# KiCad board Marble.kicad_pcb (continued)
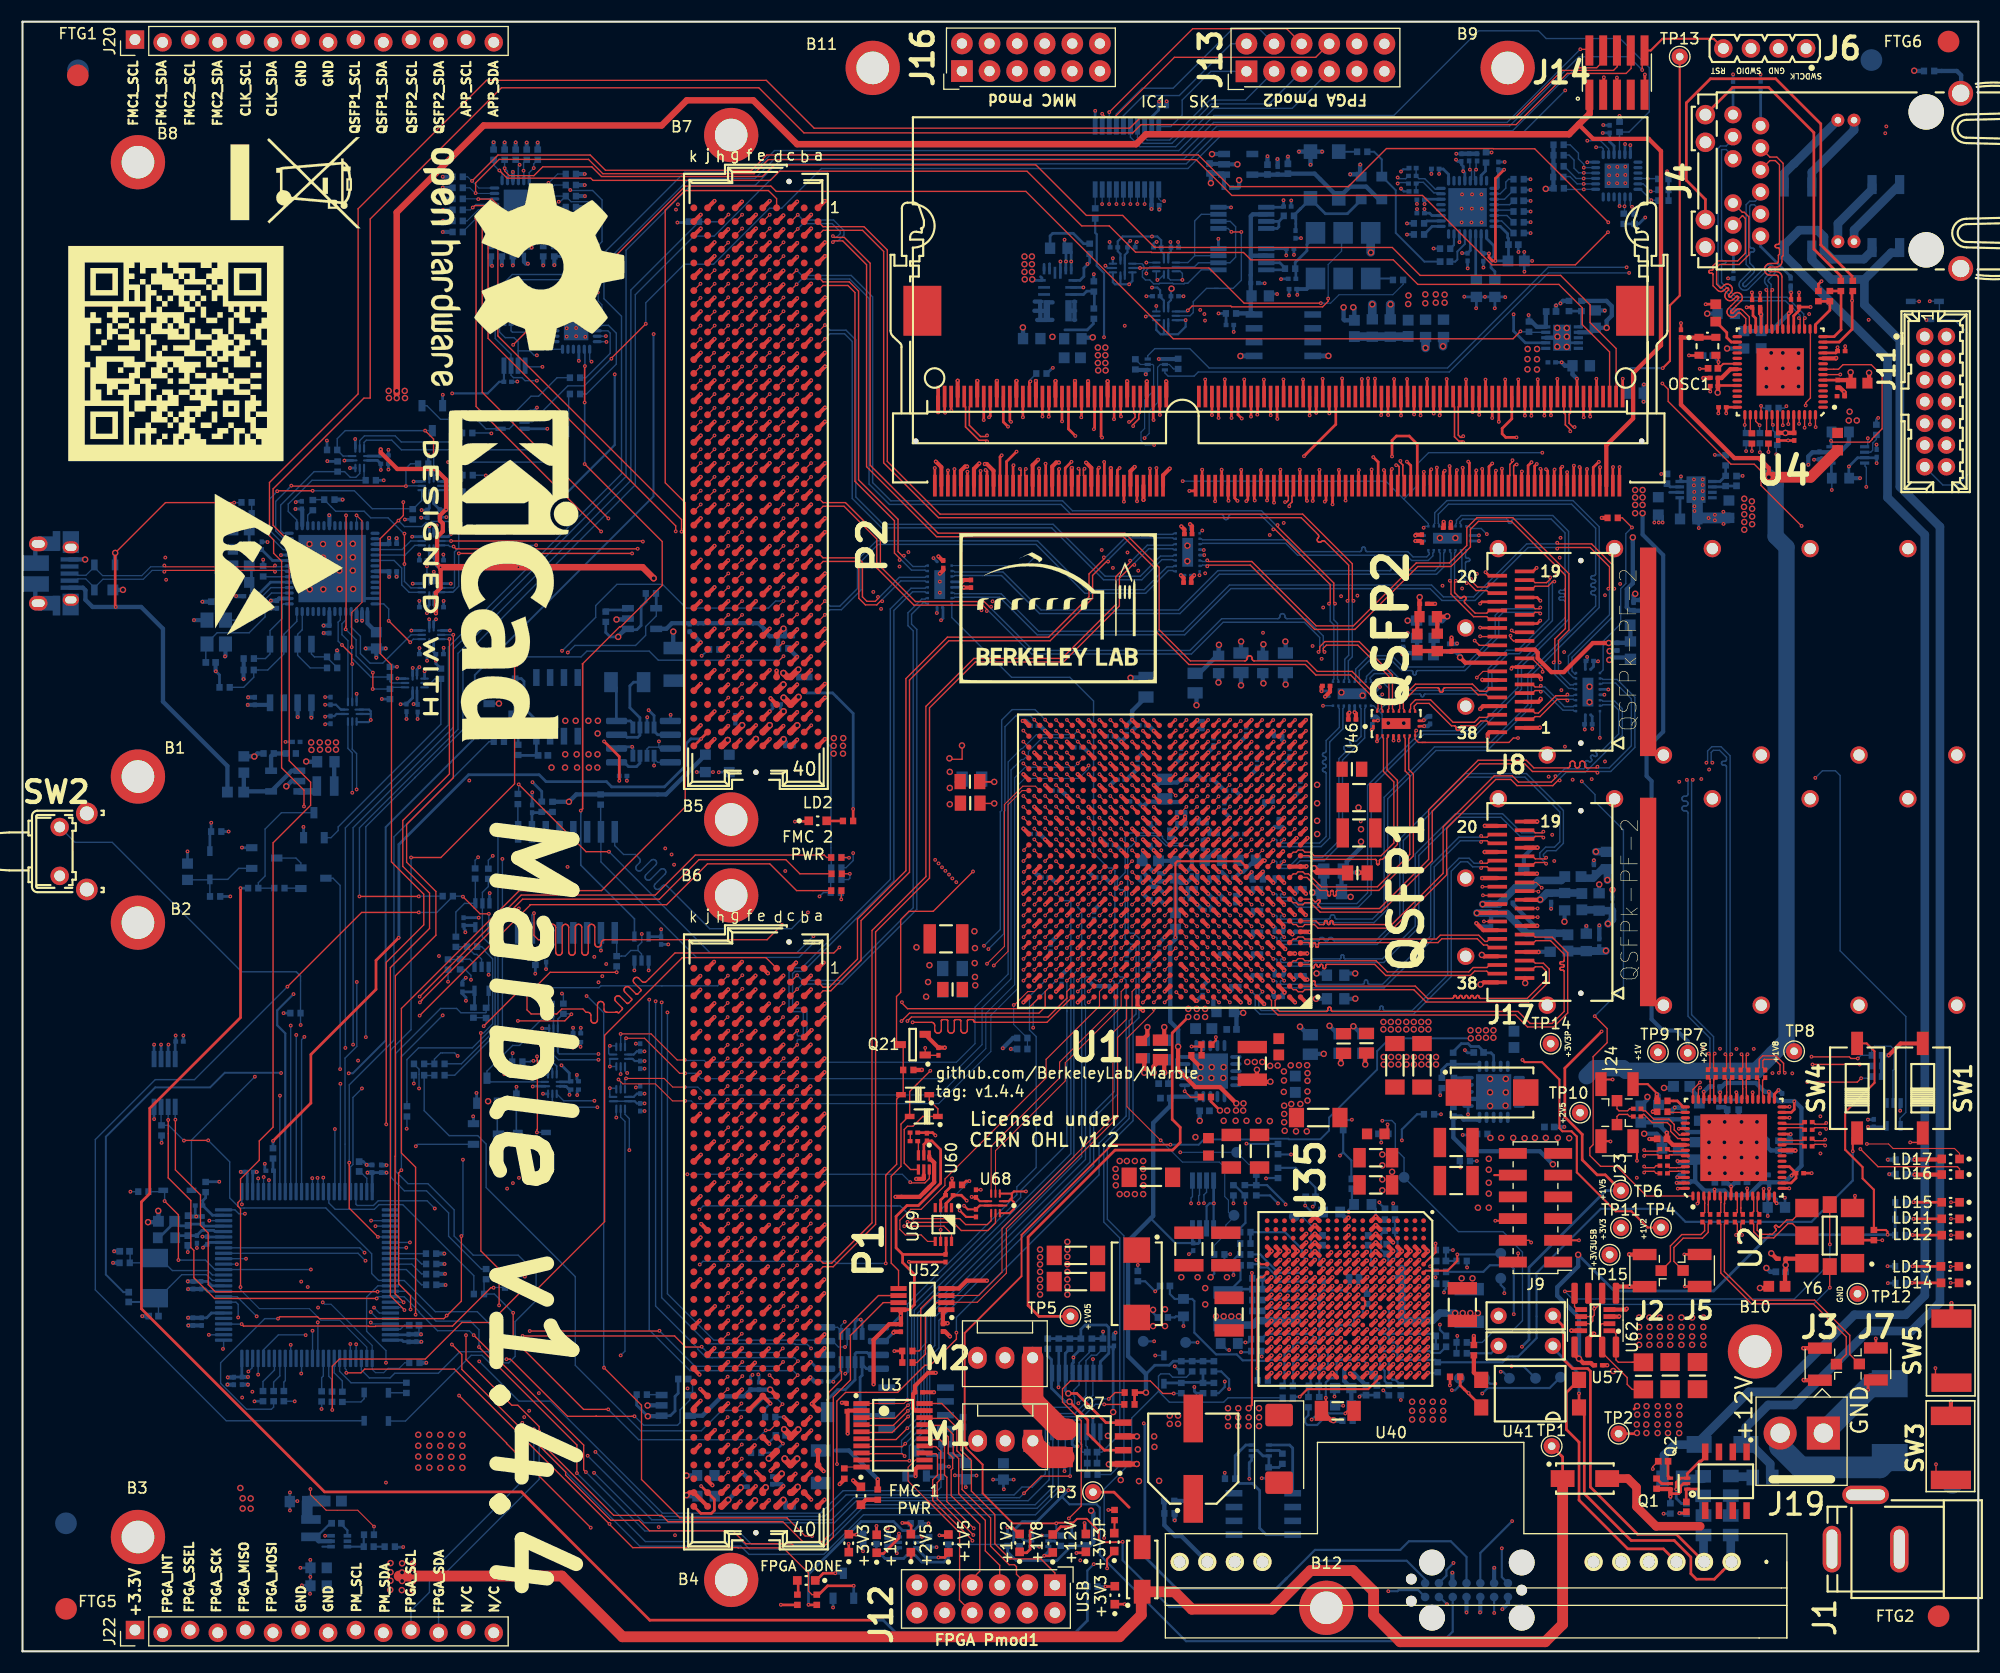
[diagram p0: board, top side]
## Routing (per net, layer and track width the routed paths; a pad name or vN(x,y) marks a point on that pad's centre or on a via; arc(x,y) is an arc through that point) (continued)
/SDRAM/DDR3_DQS2_P: length 38.4
  Top w0.13: U1.AD20 v1(98.12,83.73)
  Top w0.15: v1(97.74,108.85) 97.64,108.75 97.64,108.24 97.77,108.12 SK1.47
  In4.Cu w0.1: v1(97.74,108.85) 97.61,108.72 97.61,105.44 97.04,104.87 97.04,100.51 97.03,100.42 97,100.33 96.95,100.25 96.89,100.19 96.81,100.14 96.72,100.11 96.62,100.1 96.1,100.1 96.07,100.09 96.04,100.08 96.01,100.06 95.98,100.04 95.96,100.01 95.95,99.97 95.95,99.94 95.95,99.91 95.96,99.87 95.98,99.84 96.01,99.82 96.04,99.8 96.07,99.79 96.1,99.79 97.21,99.79 97.27,99.78 97.33,99.76 97.38,99.72 97.43,99.68 97.46,99.63 97.48,99.57 97.49,99.51 97.49,99.17 97.48,99.11 97.46,99.05 97.43,99 97.38,98.96 97.33,98.92 97.27,98.9 97.21,98.9 96.1,98.9 96.07,98.89 96.04,98.88 96.01,98.86 95.98,98.84 95.96,98.81 95.95,98.77 95.95,98.74 95.95,98.71 95.96,98.67 95.98,98.64 96.01,98.62 96.04,98.6 96.07,98.59 96.1,98.59 97.42,98.59 97.51,98.57 97.6,98.54 97.68,98.49 97.75,98.43 97.8,98.35 97.83,98.26 97.84,98.17 97.84,98.11 97.83,98.02 97.8,97.93 97.75,97.85 97.68,97.79 97.6,97.74 97.51,97.71 97.42,97.7 96.1,97.7 96.07,97.69 96.04,97.68 96.01,97.66 95.98,97.64 95.96,97.61 95.95,97.57 95.95,97.54 95.95,97.51 95.96,97.47 95.98,97.44 96.01,97.42 96.04,97.4 96.07,97.39 96.1,97.39 97.72,97.39 97.81,97.37 97.9,97.34 97.98,97.29 98.05,97.23 98.1,97.15 98.13,97.06 98.14,96.97 98.14,96.91 98.13,96.82 98.1,96.73 98.05,96.65 97.98,96.59 97.9,96.54 97.81,96.51 97.72,96.5 97.2,96.5 97.16,96.49 97.13,96.48 97.1,96.46 97.08,96.44 97.06,96.41 97.05,96.37 97.04,96.34 97.04,95.97 98.77,94.25 98.77,85.43 98.41,85.07 98.41,84.92 98.45,84.89 98.45,84.57 98.41,84.54 98.41,84.02 v1(98.12,83.73)
/SDRAM/DDR3_DQS3_N: length 39.9
  Top w0.13: U1.Y16 v1(102.12,79.73)
  Top w0.15: 102.27,114.67 SK1.62 102.27,113.99 102.39,113.87 102.39,113.58 101.97,113.16 v1(101.84,113.16)
  In2.Cu w0.1: v1(102.12,79.73) 102.47,80.09 102.47,96.93 100.79,98.61 100.79,103.73 101.71,104.65 101.71,110.92 101.7,110.95 101.69,110.98 101.68,111.01 101.66,111.03 101.63,111.04 101.61,111.05 101.58,111.05 101.41,111.05 101.32,111.06 101.24,111.09 101.16,111.14 101.1,111.2 101.05,111.28 101.02,111.36 101.01,111.45 101.01,111.55 101.02,111.64 101.05,111.72 101.1,111.8 101.16,111.86 101.24,111.9 101.32,111.93 101.41,111.94 101.58,111.94 101.61,111.95 101.63,111.96 101.66,111.97 101.68,111.99 101.69,112.02 101.7,112.04 101.71,112.07 101.71,112.78 101.84,112.91 v1(101.84,113.16)
/SDRAM/DDR3_DQS3_P: length 39.8
  Top w0.13: U1.Y15 v1(103.12,79.73)
  Top w0.15: v1(102.22,112.78) 102.22,112.91 102.74,113.44 102.74,113.87 102.87,113.99 SK1.64 102.87,114.67
  In2.Cu w0.1: v1(103.12,79.73) 102.76,80.09 102.76,97.05 101.08,98.73 101.08,103.61 102,104.53 102,110.95 101.99,111.04 101.96,111.12 101.91,111.2 101.85,111.26 101.77,111.3 101.69,111.33 101.6,111.34 101.43,111.34 101.4,111.35 101.38,111.36 101.35,111.37 101.33,111.39 101.32,111.42 101.31,111.44 101.3,111.47 101.3,111.52 101.31,111.55 101.32,111.58 101.33,111.61 101.35,111.63 101.38,111.64 101.4,111.65 101.43,111.65 101.6,111.65 101.69,111.66 101.77,111.69 101.85,111.74 101.91,111.8 101.96,111.88 101.99,111.96 102,112.05 102,112.56 v1(102.22,112.78)
/SDRAM/DDR3_DQS4_N: length 43.6
  Top w0.15: SK1.135 126.57,108.12 126.69,108.24 126.69,109.05 126.56,109.18 v1(126.42,109.18)
  Top w0.2: U1.AB5 v1(114.12,81.73)
  In4.Cu w0.1: 126.7,106.58 126.79,106.67 126.79,109 126.61,109.18 v1(126.42,109.18)
  In4.Cu w0.13: v1(114.12,81.73) 114.12,81.49 114.21,81.4 114.37,81.4 114.44,81.47 114.44,86.32 116.81,88.69 116.81,96.69 122.74,102.62 122.75,102.63 122.76,102.65 122.76,102.66 122.76,102.68 122.76,102.7 122.75,102.72 122.74,102.73 122.61,102.86 122.55,102.93 122.52,103.01 122.5,103.09 122.5,103.17 122.52,103.26 122.55,103.33 122.61,103.4 122.79,103.59 122.86,103.64 122.94,103.68 123.02,103.69 123.1,103.69 123.19,103.68 123.26,103.64 123.33,103.59 123.89,103.03 123.89,103.03 123.9,103.02 123.9,103.02 123.91,103.02 123.92,103.02 123.92,103.03 123.93,103.03 124.15,103.25 124.16,103.26 124.16,103.27 124.16,103.27 124.16,103.28 124.16,103.29 124.16,103.29 124.15,103.3 123.6,103.85 123.54,103.92 123.51,104 123.49,104.08 123.49,104.16 123.51,104.25 123.54,104.32 123.6,104.39 123.78,104.58 123.85,104.63 123.93,104.67 124.01,104.68 124.09,104.68 124.18,104.67 124.25,104.63 124.32,104.58 124.88,104.02 124.88,104.02 124.89,104.01 124.89,104.01 124.9,104.01 124.91,104.01 124.91,104.02 124.92,104.02 125.14,104.24 125.15,104.25 125.15,104.25 125.15,104.26 125.15,104.27 125.15,104.28 125.15,104.28 125.14,104.29 124.59,104.84 124.53,104.91 124.5,104.99 124.48,105.07 124.48,105.15 124.5,105.24 124.53,105.31 124.59,105.38 124.77,105.57 124.84,105.62 124.92,105.66 125,105.67 125.08,105.67 125.17,105.66 125.24,105.62 125.31,105.57 125.87,105.01 125.87,105.01 125.88,105 125.88,105 125.89,105 125.9,105 125.9,105.01 125.91,105.01 126.13,105.23 126.14,105.24 126.14,105.24 126.14,105.25 126.14,105.26 126.14,105.27 126.14,105.27 126.13,105.28 125.88,105.53 125.89,105.53 125.58,105.84 125.53,105.9 125.49,105.98 125.47,106.06 125.47,106.15 125.49,106.23 125.53,106.31 125.58,106.38 125.77,106.56 125.83,106.61 125.91,106.65 125.99,106.67 126.08,106.67 126.16,106.65 126.24,106.61 126.31,106.56 126.44,106.43 126.45,106.42 126.47,106.41 126.49,106.41 126.5,106.41 126.52,106.41 126.54,106.42 126.55,106.43 126.7,106.58
/SDRAM/DDR3_DQS4_P: length 44.4
  Top w0.15: v1(126.81,109.57) 126.81,109.43 127.04,109.2 127.04,108.24 127.17,108.12 SK1.137
  Top w0.2: U1.AA5 v1(114.12,80.73)
  In4.Cu w0.1: v1(126.81,109.57) 126.81,109.39 127.08,109.12 127.08,106.5 127.07,106.49
  In4.Cu w0.13: v1(114.12,80.73) 114.77,81.38 114.77,86.18 117.14,88.56 117.14,96.56 120.21,99.63 122.98,102.4 123.04,102.47 123.07,102.55 123.09,102.63 123.09,102.72 123.07,102.8 123.04,102.88 122.98,102.94 122.85,103.07 122.84,103.09 122.83,103.1 122.83,103.12 122.83,103.14 122.83,103.16 122.84,103.18 122.85,103.19 123,103.34 123.02,103.35 123.03,103.36 123.05,103.36 123.07,103.36 123.09,103.36 123.11,103.35 123.12,103.34 123.67,102.79 123.73,102.74 123.8,102.71 123.87,102.69 123.95,102.69 124.02,102.71 124.09,102.74 124.14,102.79 124.4,103.04 124.44,103.1 124.47,103.17 124.49,103.24 124.49,103.31 124.47,103.39 124.44,103.45 124.4,103.51 123.84,104.06 123.83,104.08 123.82,104.09 123.82,104.11 123.82,104.13 123.82,104.15 123.83,104.17 123.84,104.18 123.99,104.33 124.01,104.34 124.02,104.35 124.04,104.35 124.06,104.35 124.08,104.35 124.1,104.34 124.11,104.33 124.66,103.78 124.72,103.73 124.79,103.7 124.86,103.68 124.94,103.68 125.01,103.7 125.08,103.73 125.13,103.78 125.39,104.03 125.43,104.09 125.46,104.15 125.48,104.23 125.48,104.3 125.46,104.38 125.43,104.44 125.39,104.5 124.83,105.05 124.82,105.07 124.81,105.08 124.81,105.1 124.81,105.12 124.81,105.14 124.82,105.16 124.83,105.17 124.98,105.32 125,105.33 125.01,105.34 125.03,105.34 125.05,105.34 125.07,105.34 125.09,105.33 125.1,105.32 125.65,104.77 125.71,104.72 125.78,104.69 125.85,104.67 125.93,104.67 126,104.69 126.07,104.72 126.12,104.77 126.38,105.02 126.42,105.08 126.45,105.14 126.47,105.22 126.47,105.29 126.45,105.37 126.42,105.43 126.38,105.49 126.11,105.76 126.11,105.76 125.83,106.05 125.82,106.06 125.81,106.08 125.8,106.1 125.8,106.12 125.81,106.13 125.82,106.15 125.83,106.16 125.98,106.31 125.99,106.33 126.01,106.33 126.03,106.34 126.05,106.34 126.06,106.33 126.08,106.33 126.09,106.31 126.23,106.18 126.29,106.13 126.37,106.09 126.45,106.07 126.54,106.07 126.62,106.09 126.7,106.13 126.76,106.18 127.07,106.49
/SDRAM/DDR3_DQS5_N: length 39.7
  Top w0.15: SK1.152 131.67,114.67 131.79,114.54 131.79,111.8 132.2,111.4 132.5,111.4 v1(132.6,111.3)
  Top w0.2: 114.63,85.24 v1(115.11,85.73)
  In7.Cu w0.1: v1(115.11,85.73) 115.03,85.73 114.75,86.02 114.75,86.11 117.99,89.35 117.99,96.22 121.07,99.31 121.07,101.48 131.02,111.43 132.47,111.43 v1(132.6,111.3)
/SDRAM/DDR3_DQS5_P: length 39.6
  Top w0.15: SK1.154 132.27,114.67 132.14,114.54 132.14,111.94 132.34,111.75 132.5,111.75 v1(132.6,111.85)
  Top w0.2: v1(114.09,85.73) 113.62,85.26 113.62,85.24
  In7.Cu w0.1: v1(114.09,85.73) 114.16,85.73 114.46,86.03 114.46,86.23 117.7,89.47 117.7,96.34 120.78,99.43 120.78,101.6 130.9,111.72 132.47,111.72 v1(132.6,111.85)
/SDRAM/DDR3_DQS6_N: length 48.4
  Top w0.15: v1(137.13,109.63) 137.13,109.49 136.89,109.26 136.89,108.24 136.77,108.12 SK1.169
  Top w0.2: U1.AC1 v1(118.12,82.73)
  In2.Cu w0.1: v1(137.13,109.63) 137.03,109.53 136.54,109.53 135.92,110.16 134.32,110.16 132.51,108.35 132.44,108.26 132.39,108.16 132.37,108.05 132.37,107.94 132.39,107.84 132.44,107.74 132.51,107.65 132.75,107.41 132.78,107.37 132.8,107.32 132.82,107.27 132.82,107.22 132.8,107.17 132.78,107.12 132.75,107.08 132.71,107.05 132.66,107.03 132.61,107.02 132.56,107.02 132.51,107.03 132.46,107.05 132.42,107.08 131.43,108.08 131.34,108.15 131.24,108.2 131.14,108.22 131.03,108.22 130.92,108.2 130.82,108.15 130.73,108.08 130.69,108.04 130.62,107.95 130.58,107.85 130.55,107.75 130.55,107.64 130.58,107.53 130.62,107.43 130.69,107.34 131.69,106.35 131.72,106.31 131.74,106.26 131.75,106.21 131.75,106.16 131.74,106.11 131.72,106.06 131.69,106.02 131.65,105.99 131.6,105.97 131.55,105.96 131.5,105.96 131.45,105.97 131.4,105.99 131.36,106.02 130.37,107.02 130.28,107.09 130.18,107.14 130.08,107.16 129.97,107.16 129.86,107.14 129.76,107.09 129.67,107.02 129.63,106.98 129.56,106.89 129.52,106.79 129.49,106.69 129.49,106.58 129.52,106.47 129.56,106.37 129.63,106.28 129.88,106.04 129.91,106 129.93,105.95 129.94,105.9 129.94,105.85 129.93,105.8 129.91,105.76 129.88,105.72 126.73,102.56 126.73,92.65 120.9,86.82 120.9,84.23 119.04,82.37 118.48,82.37 v1(118.12,82.73)
/SDRAM/DDR3_DQS6_P: length 48.5
  Top w0.102: U1.AB1 117.62,81.23
  Top w0.15: SK1.171 137.37,108.12 137.24,108.24 137.24,109.11 137.38,109.24 v1(137.52,109.24)
  Top w0.2: 117.62,81.23 v1(118.11,81.71)
  In2.Cu w0.1: v1(118.11,81.71) 118.48,82.08 119.16,82.08 121.19,84.11 121.19,86.7 127.02,92.53 127.02,102.44 130.1,105.53 130.17,105.62 130.22,105.72 130.24,105.82 130.24,105.93 130.22,106.04 130.17,106.14 130.1,106.22 129.86,106.47 129.83,106.51 129.8,106.55 129.79,106.6 129.79,106.66 129.8,106.71 129.83,106.75 129.86,106.79 129.9,106.83 129.94,106.85 130,106.86 130.05,106.86 130.1,106.85 130.14,106.83 130.18,106.79 131.18,105.8 131.27,105.73 131.36,105.68 131.47,105.66 131.58,105.66 131.69,105.68 131.79,105.73 131.87,105.8 131.92,105.84 131.98,105.93 132.03,106.02 132.06,106.13 132.06,106.24 132.03,106.35 131.98,106.45 131.92,106.53 130.92,107.53 130.89,107.57 130.86,107.62 130.85,107.67 130.85,107.72 130.86,107.77 130.89,107.81 130.92,107.85 130.96,107.89 131.01,107.91 131.06,107.92 131.11,107.92 131.16,107.91 131.2,107.89 131.24,107.85 132.24,106.86 132.33,106.79 132.43,106.74 132.53,106.72 132.64,106.72 132.75,106.74 132.85,106.79 132.93,106.86 132.98,106.9 133.04,106.99 133.09,107.08 133.12,107.19 133.12,107.3 133.09,107.41 133.04,107.51 132.98,107.59 132.73,107.84 132.7,107.88 132.68,107.92 132.67,107.97 132.67,108.02 132.68,108.08 132.7,108.12 132.73,108.16 134.44,109.87 135.8,109.87 136.42,109.24 v1(137.52,109.24)
/SDRAM/DDR3_DQS7_N: length 57.2
  Top w0.15: v1(142.45,112.3) 142.45,112.44 141.99,112.9 141.99,113.87 141.87,113.99 SK1.186
  Top w0.2: U1.W5 v1(114.12,78.73)
  In9.Cu w0.1: v1(142.45,112.3) 142.45,112.48 142.01,112.93 141.4,112.93 140.95,112.48 140.92,112.45 140.91,112.41 140.9,112.38 140.9,112.34 140.91,112.3 140.92,112.26 140.95,112.23 140.96,112.22 140.99,112.19 141,112.15 141.01,112.12 141.01,112.08 141,112.04 140.99,112 140.96,111.97 140.93,111.95 140.89,111.93 140.86,111.92 140.82,111.92 140.78,111.93 140.74,111.95 140.71,111.97 140.7,111.98 140.67,112.01 140.64,112.03 140.6,112.03 140.56,112.03 140.52,112.03 140.48,112.01 140.45,111.98 138.69,110.22 129.38,110.22 128.27,109.11 128.27,107.88 117.78,97.39 117.78,91.94 114.95,89.11 114.95,88.77 113.76,87.57 113.76,82.57 113.76,82.56 113.76,79.09 v1(114.12,78.73)
/SDRAM/DDR3_DQS7_P: length 57.2
  Top w0.15: v1(142.84,112.69) 142.7,112.69 142.34,113.04 142.34,113.87 142.47,113.99 SK1.188
  Top w0.2: U1.W6 v1(113.12,78.73)
  In9.Cu w0.1: v1(113.12,78.73) 113.47,79.09 113.47,82.44 113.47,82.45 113.47,87.69 114.66,88.89 114.66,89.23 117.49,92.06 117.49,97.51 127.98,108 127.98,109.23 129.26,110.51 138.57,110.51 141.28,113.22 142.13,113.22 142.66,112.69 v1(142.84,112.69)
/SDRAM/DDR3_ODT: length 38.9
  Top w0.254: U1.AB9 v1(110.12,81.73) ; v1(117.94,110.01) 120.87,112.94 SK1.116
  In2.Cu w0.135: v1(110.12,81.73) 110.46,82.07 110.46,88.33 111.02,88.89 111.02,95.34 117.78,102.1 117.78,105.96 117.94,106.13 v1(117.94,110.01)
/SDRAM/DDR3_RAS_N: length 38.9
  Top w0.254: 111.64,81.24 v1(112.14,81.74) ; v1(119.07,114) 119.07,114 SK1.110
  In2.Cu w0.135: v1(119.07,114) 119.71,113.36 119.71,111.59 119.7,111.53 119.68,111.48 119.65,111.43 119.61,111.39 119.57,111.36 119.51,111.34 119.4,111.33 119.35,111.31 119.3,111.28 119.26,111.24 119.23,111.19 119.21,111.14 119.21,111.09 119.21,110.99 119.21,110.93 119.23,110.88 119.26,110.83 119.3,110.79 119.35,110.76 119.4,110.74 119.51,110.73 119.57,110.71 119.61,110.68 119.65,110.64 119.68,110.59 119.7,110.54 119.71,110.49 119.71,108.92 119.71,108.92 119.71,108.59 119.51,108.39 119.51,102.17 112.85,95.51 112.85,88.8 111.54,87.49 111.54,82.34 v1(112.14,81.74)
/SDRAM/DDR3_RST_N: length 48.5
  Top w0.11: U1.Y12 v1(107.12,79.73)
  Top w0.254: SK1.30 92.67,116.8 v1(92.76,116.89)
  In9.Cu w0.135: v1(92.76,116.89) 95.01,114.65 97.88,114.65 100.59,111.93 100.59,105.07 105.33,100.33 105.33,80.56 105.93,79.96 106.64,79.96 106.87,79.73 v1(107.12,79.73)
  Bottom w0.135: 93.28,117.66 93.28,117.58 92.76,117.06 v1(92.76,116.89)
/SDRAM/DDR3_WE_N: length 39.1
  Top w0.254: SK1.113 119.97,105.94 v1(119.86,105.83) ; U1.AF9 v1(110.12,85.73)
  In4.Cu w0.135: v1(110.12,85.73) 110.12,88.42 113.15,91.46 113.15,97.27 121.13,105.25 121.13,106.44 122.09,107.41 122.09,110.77 121.83,111.04 121.07,111.04 120.72,110.7 120.72,108.83 119.86,107.96 v1(119.86,105.83)
/SDRAM/VREF_DDR3: length 11.8
  Top w0.254: U1.W8 v1(111.12,78.73) ; U1.AE11 v1(108.12,84.73) ; U1.AD3 v1(116.12,83.73) ; U1.W4 v1(115.12,78.73) ; 123.84,115.53 123.84,117.15 v1(123.83,117.16) ; SK1.1 83.97,108.91 v1(83.96,108.92) ; U1.Y18 v1(100.12,79.73) ; U1.AE16 v1(102.12,84.73)
  Bottom w0.4: C15.1 102.62,85.23 v1(102.12,84.73) ; C19.1 110.61,78.22 v1(111.12,78.73) ; C16.1 100.62,80.23 v1(100.12,79.73) ; C14.1 115.92,83.93 v1(116.12,83.73) ; v1(108.12,84.73) 108.3,84.91 C17.1 ; C18.1 115.03,78.64 v1(115.12,78.73)
  vias: v2(138.52,119.87) v2(138.51,118.94) v2(138.51,118) v2(139.39,119.87) v2(139.39,118.93) v2(139.39,117.99)
/THERM: length 172.9
  In2.Cu w0.127: v1(52.37,118.71) 52.37,105.81 47.67,101.11 47.67,62.8 48.17,62.3 48.17,55.88 48.12,55.83 48.12,54.67 48.25,54.53 48.25,19.95 v1(48.05,19.75) ; v1(95.55,14.83) 95.54,14.84 95.54,21.49 96.88,22.83 v1(97.17,22.83)
  Bottom w0.127: v1(97.17,22.83) 97.88,23.54 97.88,26.76 98.37,27.25 98.85,27.25 R130.2 99.38,27.78 ; v1(95.55,14.83) 95.5,14.83 93.23,12.56 77.39,12.56 73.75,8.92 66.86,8.92 66.1,9.68 56.8,9.68 48.05,18.43 v1(48.05,19.75) ; U39.7 52.2,118.88 v1(52.37,118.71)
/USB/CTS_IN: length 8.9
  Top w0.127: v1(29.4,92.63) 30.3,91.73 30.3,90.93 v1(30.35,90.88)
  Bottom w0.127: v1(29.4,92.63) 29.05,92.98 29.05,94.73 29.25,94.93 U23.48 ; v1(30.35,90.88) U66.9
/USB/RTS_OUT: length 8.7
  Bottom w0.127: U23.47 29.75,94.93 29.4,94.58 29.4,93.58 29.95,93.03 U66.8
/USB/RxD_IN: length 11.3
  Bottom w0.127: U23.46 30.25,94.28 31.1,93.43 31.1,91.84 31.98,90.96 33.16,90.96 35.76,93.56 U25.9
/USB/TxD_OUT: length 6.5
  Top w0.127: v1(33.7,94.85) 33.72,94.85 v1(35.68,92.88)
  Bottom w0.127: v1(33.7,94.85) 33.7,95.95 33.24,96.41 U23.42 ; U25.8 35.97,93.16 v1(35.68,92.88)
/USB/USB_D_N: length 21.9
  Top w0.112: v1(23.24,99.38) 23.12,99.49 13.17,99.49 v1(13.05,99.38)
  Bottom w0.112: J10.2 4.95,98.55 5.11,98.71 5.82,98.71 6.62,97.92 D13.2 6.62,97.9 7.4,98.68 11.11,98.68 11.93,99.49 12.93,99.49 v1(13.05,99.38) ; U23.7 24.46,99.49 23.36,99.49 v1(23.24,99.38)
/USB/USB_D_P: length 21.9
  Top w0.112: v1(23.24,99.95) 23.12,99.83 13.17,99.83 v1(13.05,99.95)
  Bottom w0.112: J10.3 4.95,99.2 5.11,99.04 5.83,99.04 6.62,99.83 D13.3 6.62,99.77 7.38,99.01 10.98,99.01 11.79,99.83 12.93,99.83 v1(13.05,99.95) ; v1(23.24,99.95) 23.36,99.83 24.46,99.83 U23.8
/USB_TCK: length 2
  Bottom w0.127: R230.1 40.35,106.88 U26.5
/USB_TDI_DO: length 2.7
  Bottom w0.127: R231.1 40.5,107.74 40.04,107.28 U26.4
/USB_TDO_DI: length 11.2
  Bottom w0.127: R233.1 40.46,111.64 40.14,111.32 34.86,111.32 34.3,111.88 31.47,111.88 31.04,111.45 U33.4
/USB_TMS: length 10
  Bottom w0.127: U33.5 31.44,111.27 31.65,111.48 33.98,111.48 34.87,110.59 R232.1
/WhiteRabbit/CLK20_VCXO: length 27.4
  Top w0.127: v1(119.49,124.09) 112.43,124.09 109.2,127.33 v1(102.85,127.33)
  Bottom w0.102: v1(119.49,124.09) 120.39,124.09 121.17,124.87 126.12,124.87 127.07,125.82 R103.2
  Bottom w0.2: U67.9 v1(102.85,127.33)
/WhiteRabbit/FPGA_REF_CLK0_N: length 140.4
  Top w0.13: C96.2 158.15,39.33 158.15,38.43 v1(158.26,38.32)
  In9.Cu w0.13: v1(133.21,136.39) 133.33,136.51 133.33,137.77 134.27,138.71 138.32,138.71 144.44,132.59 147.16,132.59 152.36,127.38 162.55,127.38 166.28,123.66 166.28,113.01 167.19,112.1 167.19,76.39 170.82,72.75 170.82,45.79 165.6,40.57 159.63,40.57 158.15,39.09 158.15,38.43 v1(158.26,38.32)
  Bottom w0.112: U20.5 133.33,135.45
  Bottom w0.127: 133.24,137.19 133.21,137.17 v1(133.21,136.39)
  Bottom w0.13: v1(133.21,136.39) 133.36,136.24 133.36,135.48 U20.5
/WhiteRabbit/FPGA_REF_CLK0_P: length 140.4
  Top w0.13: v1(157.71,38.32) 157.82,38.43 157.82,39.33 157.64,39.51
  In9.Cu w0.13: v1(133.78,136.39) 133.66,136.51 133.66,137.64 134.41,138.38 138.18,138.38 144.3,132.26 147.02,132.26 152.23,127.05 162.41,127.05 165.95,123.52 165.95,112.88 166.86,111.96 166.86,76.25 170.49,72.62 170.49,45.93 168.18,43.62 168.15,43.59 168.11,43.57 168.06,43.56 168.02,43.56 167.97,43.57 167.93,43.59 167.9,43.62 167.87,43.65 167.83,43.68 167.79,43.7 167.75,43.71 167.7,43.71 167.66,43.7 167.62,43.68 167.58,43.65 167.55,43.62 167.54,43.57 167.53,43.53 167.53,43.49 167.54,43.44 167.55,43.4 167.58,43.37 167.62,43.33 167.64,43.3 167.66,43.26 167.67,43.22 167.67,43.17 167.66,43.13 167.64,43.09 167.62,43.05 167.58,43.02 167.54,43 167.5,42.99 167.45,42.99 167.41,43 167.37,43.02 167.33,43.05 167.3,43.08 167.26,43.11 167.22,43.13 167.18,43.14 167.14,43.14 167.09,43.13 167.05,43.11 167.02,43.08 166.99,43.05 166.97,43.01 166.96,42.97 166.96,42.92 166.97,42.88 166.99,42.84 167.02,42.8 167.05,42.77 167.08,42.73 167.1,42.69 167.11,42.65 167.11,42.61 167.1,42.56 167.08,42.52 167.05,42.49 165.46,40.9 159.49,40.9 157.82,39.22 157.82,38.43 v1(157.71,38.32)
  Bottom w0.112: U20.6 133.66,135.45
  Bottom w0.127: v1(133.78,136.39) 133.78,137.08 133.89,137.18
  Bottom w0.13: U20.6 133.63,135.48 133.63,136.24 v1(133.78,136.39)
/WhiteRabbit/SI570_CLK_N: length 7.1
  Top w0.13: C85.2 159.33,39.32 159.33,38.62 159.9,38.05 161.18,38.05 162.5,39.37 162.9,39.37 164,38.27 Y6.5
/WhiteRabbit/SI570_CLK_P: length 7.1
  Top w0.13: Y6.4 164,40.81 162.9,39.7 162.36,39.7 161.74,39.08 161.71,39.06 161.69,39.05 161.66,39.04 161.63,39.04 161.6,39.05 161.58,39.06 161.55,39.08 161.46,39.17 161.44,39.19 161.41,39.2 161.38,39.21 161.36,39.21 161.33,39.2 161.3,39.19 161.28,39.17 161.26,39.15 161.25,39.12 161.24,39.09 161.24,39.06 161.25,39.04 161.26,39.01 161.28,38.99 161.37,38.89 161.39,38.87 161.4,38.85 161.41,38.82 161.41,38.79 161.4,38.76 161.39,38.73 161.37,38.71 161.04,38.38 160.03,38.38 159.66,38.76 159.66,39.32 C97.2
/WhiteRabbit/VCXO_EN: length 21.3
  Top w0.127: v1(120.16,124.51) 120.16,124.27 119.65,123.75 111.28,123.75 111.21,123.83 107.65,123.83 v1(107.25,123.43)
  Bottom w0.102: v1(120.16,124.51) 120.16,127.65 121.4,128.89
  Bottom w0.127: 121.4,128.89 121.4,130.43 Y3.2
  Bottom w0.2: U42.8 107.15,123.33 v1(107.25,123.43)
/WhiteRabbit/WR_DAC1_SYNC: length 15
  Top w0.127: v1(112.18,130.65) 111.27,130.65 v1(111.26,130.66)
  Bottom w0.127: 110.03,125.45 108.97,125.45 107.75,124.23 107.75,123.23 107.45,122.93 U42.9 ; 110.03,125.45 111.43,125.45 112.18,126.2 v1(112.18,130.65) ; 110.03,125.45 109.65,125.45 ; v1(111.26,130.66) 110.95,130.97 U19.5
/WhiteRabbit/WR_DAC2_SYNC: length 10.1
  Bottom w0.127: U67.8 103.02,127.73 103.15,127.6 103.15,127.53 103.21,127.47 103.21,127.18 103.07,127.04 103.07,126.51 103.35,126.23 103.75,126.23 104.11,125.87 104.6,125.87 104.66,125.93 105.85,125.93 105.91,125.87 106.9,125.87 106.96,125.93 107.25,125.93 108.48,127.16 U16.5
/WhiteRabbit/WR_DAC_DIN: length 9.8
  Bottom w0.127: 107.88,128.46 107.25,127.83 U53.8 ; 107.88,128.46 107.88,131.66 108.49,132.27 U19.7 ; 107.88,128.46 U16.7
/WhiteRabbit/WR_DAC_OUT1: length 10
  Bottom w0.254: C109.1 117.19,130.8 117.19,132.36 117.61,132.79 117.63,132.79 ; Y2.1 118.54,133.7 119.91,132.33 121.93,132.33 123.06,133.45 123.11,133.45 ; Y2.1 118.54,133.7 117.63,132.79 ; Y2.1 118.23,133.44 ; 117.63,132.79 117.4,132.56
/WhiteRabbit/WR_DAC_OUT2: length 5.9
  Bottom w0.254: C108.1 117.19,127.21 R92.1 117.13,127.84 118.21,128.92 118.21,129.51 119,130.3 Y3.1 118.37,129.94
/WhiteRabbit/WR_DAC_SCLK: length 10.5
  Bottom w0.127: U53.9 107.85,127.43 108.23,127.81 U16.6 111.13,127.81 111.65,128.33 111.65,131.13 111.16,131.62 U19.6
DDR_REF_CLK_N: length 3.5
  Bottom w0.13: U20.31 130.46,134.25 129.9,134.25 128.92,135.22 128.52,135.22 128.34,135.04 128.26,135.04 128.26,134.39 R22.2
DDR_REF_CLK_P: length 3.5
  Bottom w0.13: 128.27,136.41 128.26,136.41 128.26,135.73 128.34,135.73 128.52,135.55 129.06,135.55 130.03,134.58 130.46,134.58 U20.32
FMC1_DP0_C2M_N: length 44.3
  Top w0.13: P1.C3 v1(71.29,60.95)
  Bottom w0.13: v1(71.29,60.95) 71.76,61.42 75.44,61.42 82.31,68.29 82.31,94.06 81.82,94.55 81.82,95.45 82.89,96.52 83.07,96.52 83.15,96.44 83.33,96.44
FMC1_DP0_C2M_P: length 44.3
  Top w0.13: P1.C2 v1(71.29,62.22)
  Bottom w0.13: 83.33,96.94 83.15,96.94 83.07,96.85 82.76,96.85 81.49,95.59 81.49,94.41 81.98,93.93 81.98,68.44 75.28,61.75 71.76,61.75 v1(71.29,62.22)
FMC1_DP0_M2C_N: length 50.6
  Top w0.112: P1.C7 70.72,55.25
  Top w0.13: 70.72,55.25 v1(71.3,55.83)
  Bottom w0.13: 83.33,97.44 83.15,97.44 83.07,97.52 81.91,97.52 80.2,95.81 80.2,70.92 71.87,62.59 71.08,62.59 70.88,62.38 70.88,59.44 71.11,59.21 71.87,59.21 72.2,58.89 72.2,56.72 71.8,56.32 71.38,56.32 71.3,56.23 v1(71.3,55.83)
FMC1_DP0_M2C_P: length 50.7
  Top w0.112: P1.C6 70.69,56.52
  Top w0.13: 70.69,56.52 v1(71.3,57.13)
  Bottom w0.13: 83.33,97.94 83.15,97.94 83.07,97.85 81.78,97.85 79.87,95.94 79.87,71.05 71.73,62.92 70.95,62.92 70.55,62.52 70.55,59.31 70.97,58.88 71.73,58.88 71.87,58.75 71.87,56.85 71.66,56.65 71.38,56.65 71.3,56.73 v1(71.3,57.13)
FMC1_DP1_C2M_N: length 87.1
  Top w0.13: v1(102.33,100) 102.17,100 100.95,98.78 100.95,96.21 95.8,91.06 87.7,91.06 83.47,86.84 83.47,71.17 78.51,66.21 78.51,39.3 74.61,35.4 73.68,35.4 P1.A23
  Bottom w0.13: 106.13,101.4 105.96,101.4 105.87,101.48 103.66,101.48 102.33,100.15 v1(102.33,100)
FMC1_DP1_C2M_P: length 87.1
  Top w0.13: P1.A22 73.68,35.73 74.47,35.73 78.19,39.44 78.19,66.35 83.14,71.31 83.14,86.98 87.56,91.39 95.66,91.39 100.62,96.35 100.62,98.92 101.94,100.23 v1(101.94,100.39)
  Bottom w0.13: v1(101.94,100.39) 102.09,100.39 103.52,101.81 105.87,101.81 105.96,101.9 106.13,101.9
